# Allegro board BeagleBoard-xM.brd (continued)
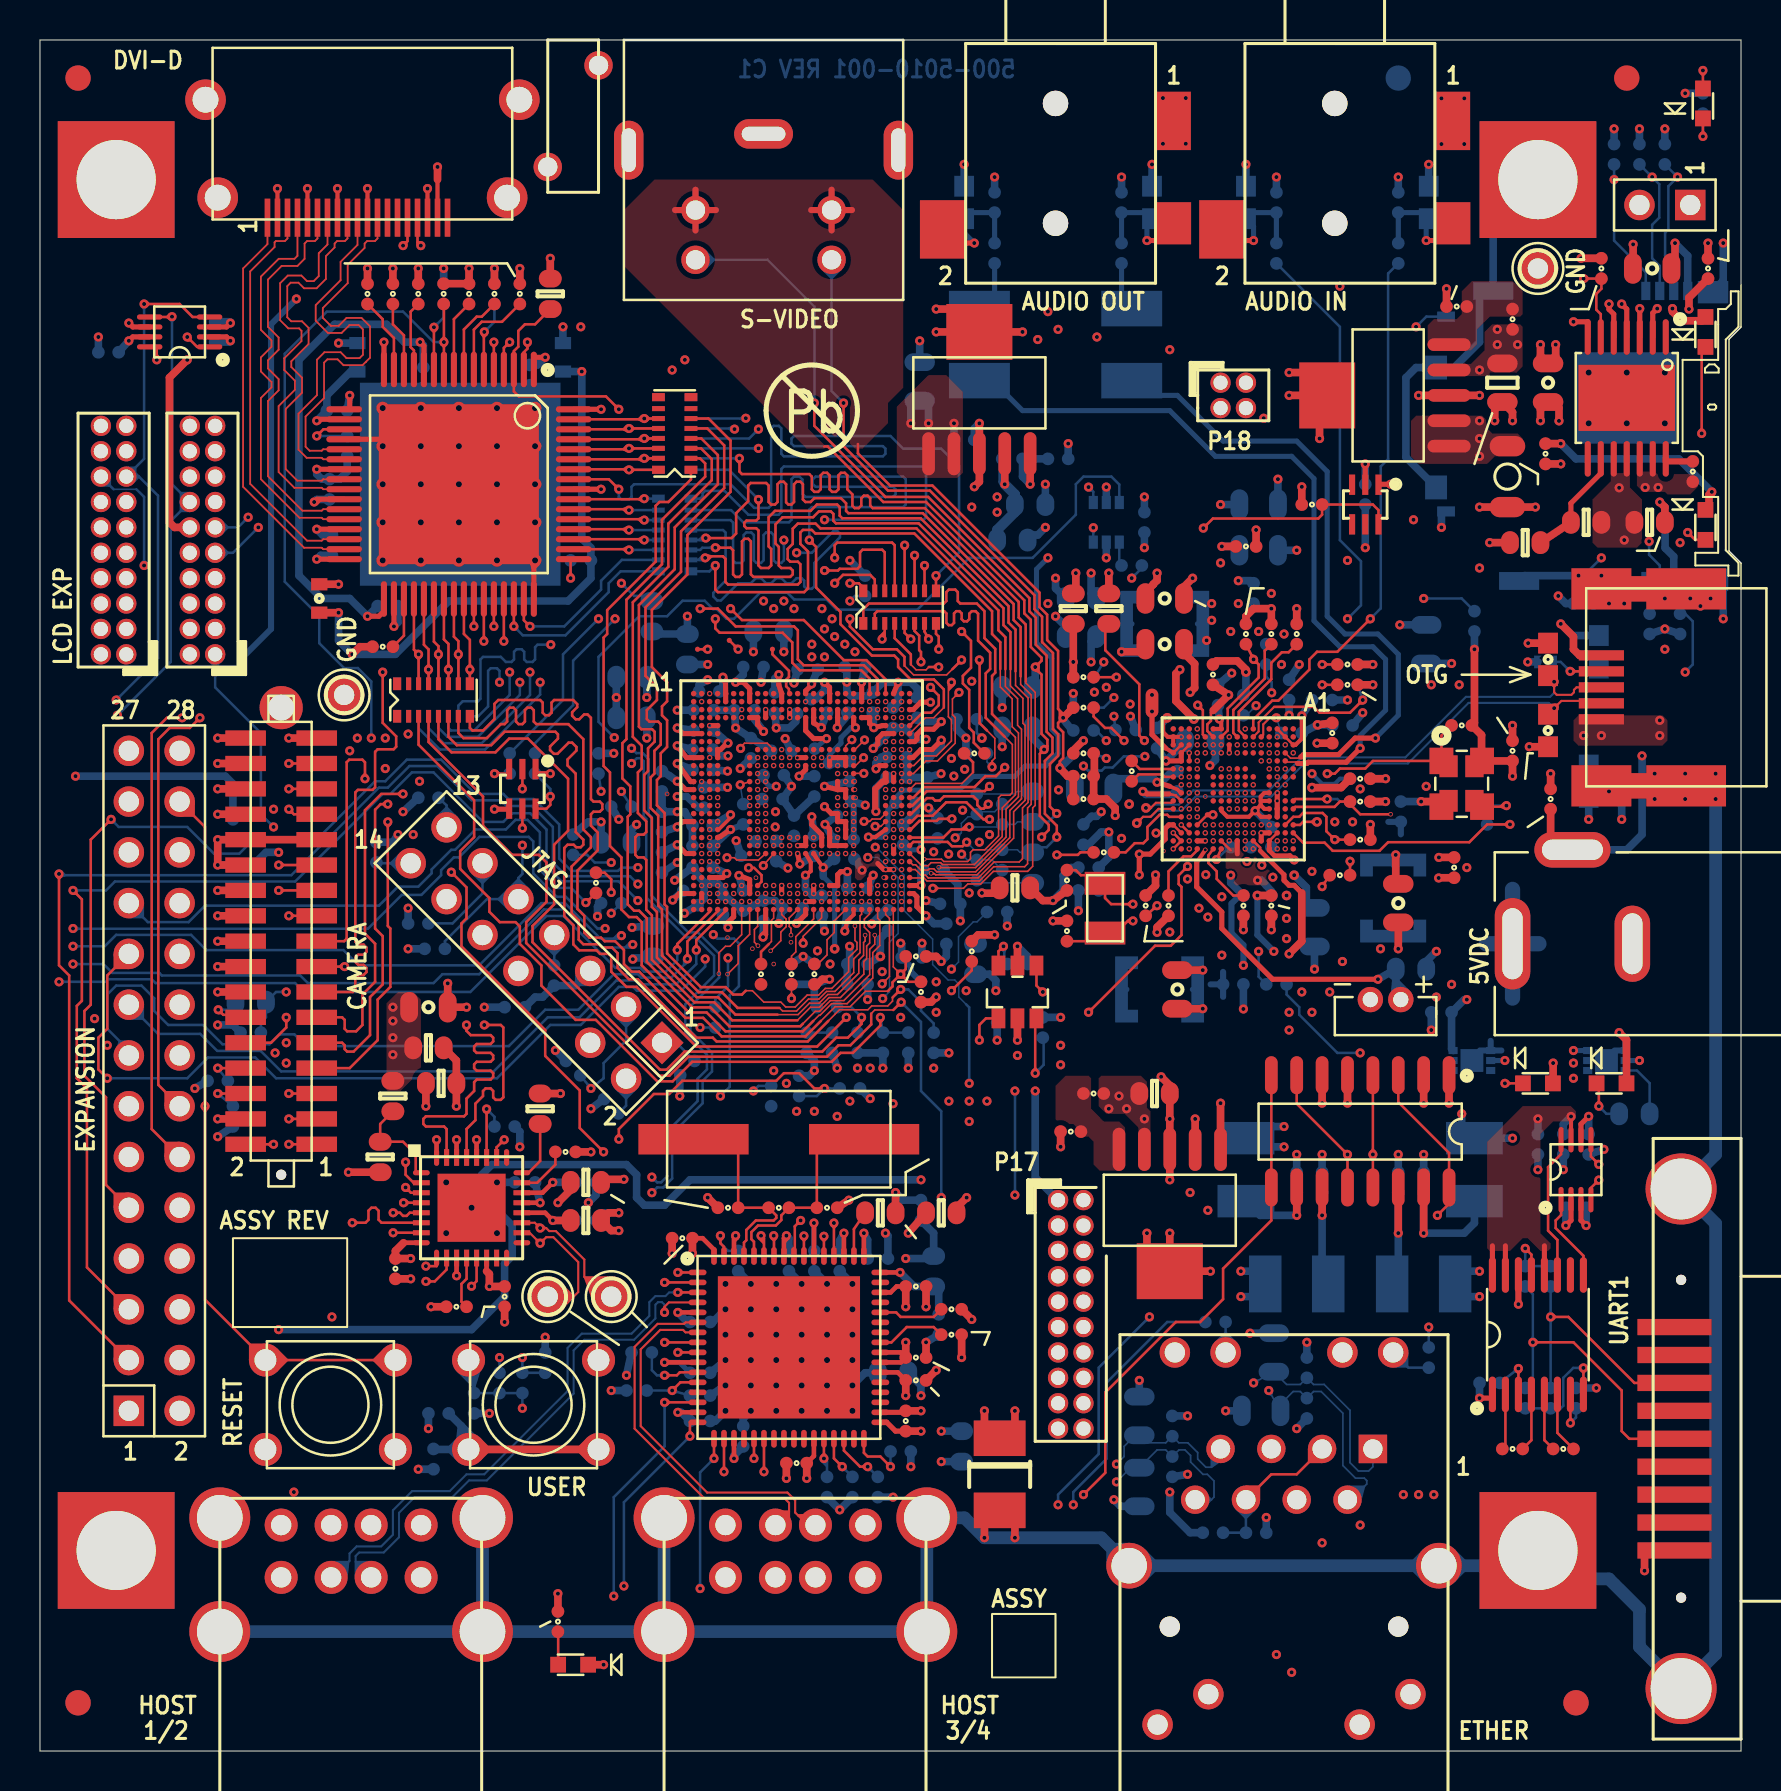
[diagram p0: board, top side]
## Routing (per net, layer and track width the routed paths; a pad name or vN(x,y) marks a point on that pad's centre or on a via; arc(x,y) is an arc through that point) (continued)
MCBSP2_DX: length 56
  LYR3-SIG w0.076: 58.07,52.78 58.29,52.55 58.29,52.18 58.13,52.02 58.13,50.6 58.06,50.53 58.06,49.84 58.22,49.68 58.83,49.68 v2(59.09,49.93) ; 39.81,54.13 39.81,51.69 39.5,51.37 39.5,51.04 39.74,50.8 39.74,49.53 v2(40.76,48.51)
  LYR3-SIG w0.127: 39.81,54.13 39.81,54.81 38.19,56.44 38.19,56.68 v1(37.72,57.15) ; P18.1 57.24,66.64 57.24,56.68 v1(58.36,55.56) 57.84,55.04 57.84,53.37 58.07,52.78
  LYR4-SIG w0.127: v1(37.72,57.15) 37.72,58.25 39.33,59.86 39.33,59.86 39.58,60.11 41,60.11 43.73,57.38 47.67,57.38 48.75,56.3 57.62,56.3 v1(58.36,55.56)
MCBSP2_FSX: length 63.3
  LYR3-SIG w0.076: 59.77,51.77 59.77,51.33 59.23,50.8 59.23,50.6 59.36,50.47 59.36,49.4 v2(59.09,49.13) ; v2(40.8,47.69) 40.23,48.26 40.23,48.51 39.29,49.45 39.29,49.92 38.56,50.65 38.56,51.75 37.31,53.01 37.31,53.64 37.64,53.98 37.64,54.13
  LYR3-SIG w0.127: P18.2 61.72,67.06 61.72,64.26 61.47,64.01 61.47,62.23 62.23,61.47 v1(62.23,55.88) 61.39,55.04 61.39,53.9 60.3,52.81 60.3,52.3 59.77,51.77 ; 37.64,54.13 37.64,55.75 36.7,56.69 v1(36.7,57.15)
  LYR4-SIG w0.127: v1(36.7,57.15) 36.7,58.17 38.67,60.13 38.67,60.14 39.3,60.77 41.28,60.77 44.01,58.04 46.74,58.04 46.89,58.19 51.03,58.19 51.88,57.34 56.32,57.34 56.81,57.82 58.93,57.82 59.77,56.98 61.13,56.98 v1(62.23,55.88)
MCBSP3_CLKX: length 62.3
  LYR3-SIG w0.076: v2(42.3,44.9) 42.39,44.98 42.84,44.98
  LYR3-SIG w0.127: v1(47.37,32.51) 47.41,32.55 47.41,35.98 48.26,36.83 48.26,38.73 47.12,39.88 47.12,41.02 45.97,42.16 45.97,43.31 44.75,44.53 43.99,44.53 43.54,44.98 42.84,44.98
  LYR4-SIG w0.127: 6.98,22.1 8.89,22.1 9.53,22.73 20.39,22.73 21.46,23.81 21.46,25.59 25.09,29.21 28.66,29.21 29.62,30.18 40.46,30.18 40.89,30.61 42.55,30.61 43.48,31.55 45.9,31.55 46.36,32 46.86,32 v1(47.37,32.51)
MCBSP3_DR: length 62
  LYR3-SIG w0.076: 42.85,44.73 42.53,44.73 v2(42.3,44.5)
  LYR3-SIG w0.127: v1(46.48,32.51) 46.9,32.93 46.9,34.9 46.57,35.23 46.57,35.9 47.4,36.73 47.4,39.09 46.74,39.75 46.74,40.26 45.59,41.4 45.59,43.31 44.63,44.27 43.87,44.27 43.41,44.73 42.85,44.73
  LYR4-SIG w0.127: P9.10 11.09,23.08 19.65,23.08 20.19,23.62 20.19,24.78 24.96,29.55 28.53,29.55 29.49,30.51 40.28,30.51 40.77,30.99 42.42,30.99 43.31,31.88 45.47,31.88 46.1,32.51 v1(46.48,32.51)
MCBSP3_DX: length 62.9
  LYR3-SIG w0.076: 47.12,37.7 47.12,38.48 46.48,39.12 46.48,40.13 45.29,41.33 45.29,43.32 44.56,44.04 43.69,44.04 43.24,44.5 v2(42.7,44.5)
  LYR3-SIG w0.127: v1(46.48,31.5) 45.97,32 45.97,33.71 46.23,33.96 46.23,36.32 47.12,37.21 47.12,37.7
  LYR4-SIG w0.127: v1(46.48,31.5) 46.2,31.22 43.66,31.22 42.67,30.23 41.02,30.23 40.64,29.84 29.76,29.84 28.78,28.87 25.21,28.87 23.36,27.01 23.36,25.55 22.06,24.26 22.06,22.82 21.04,21.81 19.32,21.81 18.77,22.35 9.78,22.35 P9.4
MCBSP3_FSX: length 58.4
  LYR3-SIG w0.076: 30.95,41.87 31.15,41.87 31.27,41.76 31.86,41.76 32.08,41.54 32.45,41.54 33.32,42.42 33.32,42.95 33.76,43.38 34.21,43.38 v2(34.3,43.3)
  LYR3-SIG w0.127: v1(1.65,41.15) 2.35,40.45 2.35,37.46 2.11,37.22 2.11,35.67 4.13,33.66 4.83,33.66 5.71,32.77 5.71,25.91 P9.8 ; 30.95,41.87 29.13,41.87 28.41,41.15 v1(28.27,41.15)
  BOTTOM w0.127: v1(28.27,41.15) 27.89,41.15 26.3,42.74 25.84,42.74 24.68,43.9 24.68,45.5 24.45,45.73 21.98,45.73 20.95,44.7 20.7,44.7 20.07,44.07 20.07,43.81 19.08,42.83 18.1,42.83 16.4,41.14 1.66,41.14 v1(1.65,41.15)
MCBSP_CLKS: length 28.6
  TOP w0.127: R51.1 v1(65.53,44.51)
  LYR3-SIG w0.076: 47.87,48.44 47.87,48.07 47.64,47.85 46.88,47.85 46.65,47.61 45.21,47.61 45.06,47.76 43.95,47.76 43.47,47.28 42.71,47.28 42.05,46.62 41.62,46.62 41.35,46.9 v2(40.7,46.9)
  LYR3-SIG w0.127: 47.87,48.44 48.2,48.77 49.63,48.77 50.32,48.08 v1(50.95,48.08)
  LYR4-SIG w0.076: 64.52,44.96 64.07,45.4 57.01,45.4 55.69,46.72 55.21,46.72 55.02,46.91 54.86,46.91
  LYR4-SIG w0.127: v1(65.53,44.51) 64.96,44.51 64.52,44.96 ; v1(50.95,48.08) 53.14,48.08 54.31,46.91 54.86,46.91
MEM_1V8: length 64.9
  TOP w0.254: U4.B12 U4.A12 36.96,53.33 v1(36.96,53.85) ; v1(41.1,53.47) 41.1,53.42 U4.A22 U4.B22 ; v1(45.09,51.5) 44.7,51.12 44.13,51.12 43.87,50.85 43.87,50.61 43.75,50.5 U4.G28 ; U4.C16 U4.D16 38.7,51.43 v1(39.08,51.2) ; v1(45.09,50.57) 45.09,50.56 44.63,50.1 44.07,50.1 43.67,49.7 U4.J28 ; v1(34.8,53.47) 35.18,53.47 35.5,53.15 U4.A8 U4.B8 ; U4.M1 32.7,48.5 32.54,48.5 v1(31.88,49.4) ; U4.B18 U4.A18 39.5,52.9 39.5,53.21 v1(39.24,53.47) ; U4.F2 U4.F1 32.16,50.9 v1(31.88,51.18) ; U4.AF28 43.7,42.9 43.87,42.73 43.87,42.24 v1(44.32,41.78) ; U4.A15 38.3,53.03 38.6,53.33 v1(38.6,53.38) ; U4.B5 U4.A5 34.29,53.47 34.29,53.47 34.29,53.59 v1(34.16,53.72) ; U4.C28 43.69,52.1 44.06,52.47 v1(44.55,52.47) ; U4.AE28 44.06,43.3 v1(44.07,43.31) ; v1(34.42,41.2) 34.42,41.45 34.7,41.74 U4.AH6 ; v1(31.88,48.51) 32.29,48.1 U4.N1 ; v1(37.85,41.4) 38.3,41.86 U4.AH15 ; v1(31.65,42.57) 31.98,42.9 U4.AF1 ; v1(31.88,46.23) 32.15,46.5 U4.U1 ; U4.AA1 32.32,44.9 v1(31.88,45.34) ; U4.J2 U4.J1 32.34,49.7 v1(31.88,50.29) ; v1(36.17,40.72) 36.3,40.85 U4.AH10
  TOP w0.381: C139.1 v1(59.12,60.26)
  LYR2-GND w0.381: v1(31.88,47.75) 32.16,47.75 32.61,47.3 v3(33.9,47.3)
  LYR3-SIG w0.305: v1(44.32,41.78) 43.84,42.27 43.84,43.08 v1(44.07,43.31)
  LYR3-SIG w0.381: v1(39.24,53.47) 39.24,52.58 39.08,52.42 v1(39.08,51.2)
  BOTTOM w0.356: C27.2 32.92,47.19 32.36,47.75 v1(31.88,47.75)
  BOTTOM w0.381: C23.1 29.59,46.1 v1(29.84,46.36) ; C60.1 v1(31.65,42.57) ; v1(37.85,41.4) C58.1 ; C140.1 v1(59.05,62.36) ; R66.2 50.8,58.17 v1(50.8,58.67) ; C33.2 v1(31.88,46.23) ; v1(50.29,61.21) 49.91,60.83 49.66,60.83 R68.1 ; R67.2 51.31,56.26 v1(50.8,56.77) ; 31.11,49.02 31.49,48.79 v1(31.88,48.51) ; v1(39.24,53.47) 39.24,53.06 38.8,52.62 C35.2 ; v1(36.96,53.85) 36.77,53.66 C29.2 ; C21.1 v1(48.13,52.2) ; C34.2 v1(41.1,53.47) ; v1(34.16,53.72) 34.16,53.28 C30.2 ; v1(39.08,51.2) C28.2 ; v1(34.8,53.47) 35.18,53.85 C36.2 ; C189.1 59.8,60.26 v1(59.12,60.26) ; C25.2 44.07,51.5 v1(45.09,51.5) ; R69.1 v1(50.29,63.37) ; C51.2 v1(31.88,49.4) ; v1(44.32,41.78) 44.72,41.39 C49.2 ; v1(31.88,51.18) C37.2 ; 31.11,44.96 v1(31.88,45.34) ; v1(45.09,50.57) 45.09,50.29 44.51,49.72 C50.2 ; C16.1 30.63,41.3 v1(29.62,41.2) ; C48.2 v1(38.6,53.38) ; C22.1 v1(33.4,54.36) ; C26.2 v1(31.88,50.29) ; v1(34.42,41.2) C32.2 ; C59.1 v1(36.17,40.72) ; C52.2 44.07,43.94 v1(44.07,43.31)
MEM_ADJ: length 4.2
  TOP w0.381: U8.5 v1(49.53,63.37)
  BOTTOM w0.381: R71.1 R70.2 49.15,63.75 v1(49.53,63.37)
MEM_BOOST: length 6.2
  TOP w0.381: U8.4 v1(48.26,63.37)
  BOTTOM w0.381: R70.1 48.13,63.5 v1(48.26,63.37)
  BOTTOM w0.508: v1(48.26,63.37) 48.77,62.87 R69.2 48.77,61.98 47.88,61.09 R68.2
MIC.MAIN.M: length 7.6
  TOP w0.102: U7.F2 60.96,51 60.96,51.46 61.73,52.24
  TOP w0.127: v1(66.17,52.58) 65.53,51.94 64.01,51.94 63.72,52.24 61.73,52.24
  BOTTOM w0.127: 65.91,53.34 v1(66.17,52.58)
MIC.MAIN.P: length 2.3
  TOP w0.102: v1(61.85,51.69) 61.52,51.69 61.19,51.36 61.19,50.83 U7.E2
  BOTTOM w0.076: C95.2 v1(61.85,51.69)
MMC1_CLKO: length 50.1
  TOP w0.127: R16.1 46.71,50.44 46.71,50.95 46.48,51.18 46.48,53.09 46.16,53.4 46.16,53.78 46.57,54.19 46.57,55.54 v1(46.1,56.01)
  LYR4-SIG w0.127: v1(82.3,53.98) 77.6,53.98 77.04,54.53 75.36,54.53 74.8,53.98 71.69,53.98 70.74,54.93 66.01,54.93 65.57,55.37 61.85,55.37 61.72,55.5 60.2,55.5 59.65,54.95 57.95,54.95 56.93,55.97 46.14,55.97 v1(46.1,56.01)
  BOTTOM w0.127: v1(82.3,53.98) 82.68,54.36 82.68,56.52 82.3,56.9 R77.2 82.04,57.76 82.27,57.99 82.27,58.37 P7.5
MMC1_CMD: length 71.6
  LYR3-SIG w0.076: 46.71,50.93 46.71,50.13 46.62,50.04 46.62,48.95 46.05,48.37 45.53,48.37 45.37,48.53 43.13,48.53 v2(43.1,48.5)
  LYR3-SIG w0.127: v1(49.91,70.61) 49.91,65.79 47.12,62.99 47.12,58.93 48.04,58 48.04,52.95 46.71,51.61 46.71,50.93
  LYR4-SIG w0.127: v1(49.91,70.61) 51.69,70.61 52.32,71.25 67.31,71.25 67.82,71.75 71.82,71.75 72.2,72.14 75.82,72.14 76.8,73.11 76.8,73.93 77.09,74.22 77.39,74.22 77.75,74.57 77.75,75.72 78.74,76.71 78.74,77.42 79.62,78.3 81.47,78.3 v1(81.92,78.74)
  BOTTOM w0.127: P7.3 81.73,74.37 81.29,74.8 81.29,75.96 81.46,76.12 81.46,78.28 v1(81.92,78.74) R76.2
MMC1_DAT0: length 58.8
  LYR3-SIG w0.076: 47.6,50.58 46.81,49.8 46.81,48.87 46.16,48.22 45.46,48.22 45.31,48.37 43.38,48.37 v2(43.1,48.1)
  LYR3-SIG w0.127: 47.6,50.58 47.6,51.03 48.59,52.02 48.59,53.4 48.37,53.62 48.37,58.18 47.46,59.09 47.46,62.32 v1(47.88,62.74)
  LYR4-SIG w0.127: v1(47.88,62.74) 48.26,62.74 50.04,64.52 64.9,64.52 65.28,64.9 68.45,64.9 71.63,61.72 78.87,61.72 80.07,60.52 v1(80.49,60.52)
  BOTTOM w0.127: v1(80.49,60.52) 80.49,59.84 81.03,59.31 P7.7 80.87,58.38 80.87,57.92 80.52,57.57 R72.2
MMC1_DAT1: length 58
  LYR3-SIG w0.076: v2(42.7,48.1) 42.98,47.82 43.24,47.82 43.65,48.22 45.25,48.22 45.4,48.07 46.27,48.07 47.02,48.82 47.02,49.68 47.93,50.6
  LYR3-SIG w0.127: 47.93,50.6 47.93,50.85 48.92,51.84 48.92,53.59 48.7,53.81 48.7,58.36 47.88,59.18 v1(47.88,61.98)
  LYR4-SIG w0.127: v1(78.11,59.69) 72.64,59.69 70.1,62.23 67.69,62.23 65.79,64.13 52.07,64.13 50.67,62.74 49.15,62.74 48.39,61.98 v1(47.88,61.98)
  BOTTOM w0.127: P7.8 78.85,58.53 R73.2 77.53,57.59 77.53,59.12 v1(78.11,59.69)
MMC1_DAT2: length 70.6
  LYR3-SIG w0.076: 48.32,49.85 47.73,49.85 47.19,49.31 47.19,48.74 46.37,47.92 45.34,47.92 45.18,48.07 43.75,48.07 43.31,47.62 42.77,47.62 v2(42.3,48.1)
  LYR3-SIG w0.127: v1(50.42,72.01) 50.42,65.66 48.68,63.92 48.68,58.89 49.05,58.52 49.05,53.92 49.25,53.72 49.25,50.77 48.32,49.85
  LYR4-SIG w0.127: v1(78.74,78.61) 77.98,77.85 77.98,76.96 76.14,75.12 76.14,73.47 75.56,72.9 71.72,72.9 71.5,72.68 52.24,72.68 51.56,72.01 v1(50.42,72.01)
  BOTTOM w0.127: P7.1 80.33,73.98 78.74,75.56 v1(78.74,78.61) R75.2
MMC1_DAT3: length 70.4
  TOP w0.127: v1(48.26,49.21) 47.82,48.77 47.29,48.77 46.75,48.22 44.21,48.22 43.69,47.7 U4.P28
  LYR3-SIG w0.127: v1(48.26,49.21) 49.91,50.86 49.91,53.51 49.36,54.06 49.36,58.71 49.02,59.05 49.02,63.63 50.93,65.53 v1(50.93,71.12)
  LYR4-SIG w0.127: v1(80.64,78.74) 79.57,78.74 78.36,77.53 78.36,76.84 76.45,74.93 76.45,73.28 75.69,72.52 71.95,72.52 71.69,72.26 67.56,72.26 67.06,71.75 52.07,71.75 51.44,71.12 v1(50.93,71.12)
  BOTTOM w0.127: P7.2 81.03,74.3 80.64,74.68 80.64,76.35 81,76.71 81,78.38 v1(80.64,78.74) R74.2
MMC2_CLKO: length 29
  TOP w0.127: R157.1 v1(27.3,42.44)
  BOTTOM w0.127: v1(27.3,42.44) 26.57,43.18 25.95,43.18 25.95,43.18 25.91,43.18 25.01,44.08 25.01,45.96 24.39,46.58 23.79,46.58 23.3,46.1 21.78,46.1 20.76,45.09 20.57,45.09 19.59,44.1 19.59,43.91 18.92,43.24 17.91,43.24 16.95,42.29 8.26,42.29 7.43,41.47 5.4,41.47 P9.21
MMC2_CMD: length 44
  TOP w0.127: P9.19 3.37,38.8 3.37,36.13 2.92,35.69 2.92,34.1 v1(3.37,33.66)
  LYR2-GND w0.076: v3(34.3,42.5) 34.3,42.25 33.27,41.22 v1(33.27,39.62)
  BOTTOM w0.127: v1(33.27,39.62) 33.27,39.24 32.07,38.04 29.86,38.04 29.67,38.23 28.96,38.23 27.05,36.32 25.53,36.32 22.86,33.66 11.81,33.66 10.77,34.7 8.41,34.7 7.37,33.66 v1(3.37,33.66)
MMC2_DAT0: length 35.5
  TOP w0.127: U4.AH5 34.3,42.03 32.83,40.56 v1(32.83,40.07)
  BOTTOM w0.127: P9.17 5.91,35.88 8.01,35.88 8.86,35.03 11.04,35.03 12.07,34 22.69,34 25.4,36.7 26.99,36.7 28.83,38.54 29.78,38.54 29.97,38.35 31.81,38.35 32.83,39.37 v1(32.83,40.07)
MMC2_DAT1: length 39.9
  TOP w0.127: v1(32.38,39.62) 32.38,40.5 33.9,42.01 U4.AH4
  BOTTOM w0.127: P9.15 4.45,35.05 3.37,36.13 3.37,37.85 3.81,38.29 5.08,38.29 5.71,37.66 5.71,37.02 6.41,36.32 8.17,36.32 9.13,35.36 11.48,35.36 11.98,35.85 12.73,35.85 13.31,35.27 23.46,35.27 25.27,37.08 26.93,37.08 28.71,38.86 29.91,38.86 30.08,38.69 31.58,38.69 32.38,39.5 v1(32.38,39.62)
MMC2_DAT2: length 45.2
  LYR2-GND w0.076: v3(33.9,42.5) 33.9,42.08 32.79,40.97 31.8,40.97
  LYR2-GND w0.127: v1(29.65,40.35) 30.39,40.35 31.01,40.97 31.8,40.97
  LYR3-SIG w0.127: v1(1.65,39.37) 1.93,39.09 1.93,37.68 1.73,37.48 1.73,33.96 3.43,32.26 P9.13
  BOTTOM w0.127: v1(29.65,40.35) 29.5,40.2 28.12,40.2 26.22,42.1 25.21,42.1 21.97,38.86 20.13,38.86 19.68,38.42 13.4,38.42 13.02,38.8 6.1,38.8 5.97,38.93 3.62,38.93 3.17,39.37 v1(1.65,39.37)
MMC2_DAT3: length 48.6
  LYR3-SIG w0.076: 31.58,41.24 32.73,41.24 33.9,42.41 v2(33.9,42.9)
  LYR3-SIG w0.127: 31.58,41.24 30.34,41.24 29.88,40.78 29.1,40.78 v1(29.08,40.79) ; v1(1.65,40.26) 1.14,39.75 1.14,39.12 1.52,38.73 1.52,37.91 1.35,37.73 1.35,32.82 P9.11
  BOTTOM w0.127: v1(29.08,40.79) 28.93,40.64 28.04,40.64 26.26,42.42 25.08,42.42 21.97,39.31 15.94,39.31 15.18,40.07 8.32,40.07 7.56,40.83 3.81,40.83 3.24,40.26 v1(1.65,40.26)
MMC2_DAT4: length 57.8
  TOP w0.127: v1(3.56,46.61) 2.54,45.59 2.54,37.34 2.22,37.02 2.22,33.78 3.3,32.7 3.3,28.32 P9.9
  LYR2-GND w0.076: 30.76,44.37 31.39,44.37 31.69,44.08 33.11,44.08 v3(33.9,43.3)
  LYR2-GND w0.127: 30.76,44.37 30.54,44.37 30.37,44.2 v1(29.91,44.2)
  BOTTOM w0.127: v1(3.56,46.61) 3.94,46.23 7.37,46.23 8.7,44.89 9.97,44.89 10.67,45.59 13.84,45.59 16.76,48.51 17.27,48.51 18.35,49.59 20.07,49.59 21.78,47.88 23.18,47.88 23.43,47.62 24.7,47.62 25.97,46.36 25.97,44.64 26.58,44.03 28.92,44.03 29.08,44.2 v1(29.91,44.2)
MMC2_DAT5: length 52.7
  TOP w0.127: U4.AH3 33.5,42 31.88,40.37 v1(31.88,40.07)
  LYR3-SIG w0.127: v1(0.95,38.48) 0.95,28.13 P9.7
  BOTTOM w0.127: v1(0.95,38.48) 3.3,38.48 3.43,38.61 5.59,38.61 5.78,38.42 12.76,38.42 13.21,37.97 21.53,37.97 25.33,41.77 26.19,41.77 28.78,39.18 30.04,39.18 30.23,38.99 31.31,38.99 31.88,39.56 v1(31.88,40.07)
MMC2_DAT6: length 61.3
  TOP w0.127: 4.45,22.1 2.35,24.19 2.35,33.15 1.84,33.66 1.84,37.27 2.1,37.53 2.1,42.61 v1(1.65,43.05)
  LYR2-GND w0.076: v3(33.5,42.9) 33.33,43.07 32.67,43.07 31.8,42.2 31.5,42.2 31.15,42.55 30.76,42.55
  LYR2-GND w0.127: v1(29.91,42.55) 30.76,42.55
  BOTTOM w0.127: v1(29.91,42.55) 28.94,43.51 26.09,43.51 25.34,44.26 25.34,46.1 24.52,46.91 23.61,46.91 23.18,46.48 22.16,46.48 19.68,48.96 18.61,48.96 17.53,47.88 17.14,47.88 12.76,43.5 3.75,43.5 3.3,43.05 v1(1.65,43.05)
MMC2_DAT7: length 64.7
  TOP w0.127: P9.3 1.46,22.54 1.46,38.8 0.95,39.31 v1(0.95,43.88)
  LYR2-GND w0.076: v3(33.5,43.3) 32.87,43.93 31.57,43.93 31.39,44.11 30.76,44.11
  LYR2-GND w0.127: 30.76,44.11 30.65,44.11 v1(29.91,43.37)
  BOTTOM w0.127: v1(29.91,43.37) 29.51,43.76 26.34,43.76 25.65,44.45 25.65,46.23 24.61,47.28 23.34,47.28 23.05,47.56 21.59,47.56 19.88,49.28 18.48,49.28 17.4,48.2 16.95,48.2 12.57,43.81 1.02,43.81 v1(0.95,43.88)
MMC3_CLK: length 39.6
  LYR2-GND w0.076: v2(35.81,43.69) 35.81,43.38 v3(36.3,42.9)
  LYR3-SIG w0.076: P17.14 51.31,19.32 50.41,19.32 ; v2(35.81,43.69) 35.61,43.48 35.61,42.44 34.95,41.78 34.95,40.65 34.8,40.5 34.8,38.35 34.63,38.19
  LYR3-SIG w0.127: 34.63,38.19 34.35,37.91 34.35,36 33.74,35.39 33.74,33.79 33.11,33.15 33.11,31.66 36.32,28.45 41.63,28.45 42.68,27.39 44.08,27.39 46.99,24.49 46.99,22.73 50.41,19.32
MMC3_CMD: length 38.1
  LYR3-SIG w0.076: v2(36.3,43.3) 36.13,43.13 36.13,42.53 35.26,41.66 35.26,40.53 35.1,40.37 35.1,37.85 34.87,37.62 ; 50.28,20.59 51.57,20.59
  LYR3-SIG w0.127: 50.28,20.59 47.62,23.24 47.62,25.58 45.94,27.27 45.94,27.95 45.69,28.19 44.83,28.19 44.54,27.9 43.79,27.9 43.4,28.3 43.4,28.46 42.9,28.96 36.58,28.96 33.62,31.92 33.62,32.94 34.25,33.57 34.25,35.18 34.87,35.8 34.87,37.62 ; 51.57,20.59 P17.12
MMC3_DAT0: length 37.1
  LYR3-SIG w0.076: v2(36.7,43.3) 36.28,42.88 36.28,42.47 35.41,41.59 35.41,40.46 35.26,40.31 35.26,37.67 35.13,37.54
  LYR3-SIG w0.127: 35.13,37.54 35.13,35.69 34.51,35.07 34.51,31.39 36.68,29.21 42.9,29.21 43.28,29.59 43.52,29.59 43.65,29.46 43.65,28.4 43.9,28.16 44.24,28.16 44.66,28.58 45.21,28.58 45.47,28.83 46.36,28.83 47.12,28.07 47.12,26.62 47.94,25.79 47.94,23.56 50.29,21.21 P17.11
MMC3_DAT1: length 37.5
  TOP w0.076: v2(35.92,40.28) 35.74,40.46 35.74,41.1 35.9,41.26 U4.AH9
  LYR3-SIG w0.076: 35.89,36.93 35.89,38.15 35.79,38.25 35.79,39.88 35.92,40.01 v2(35.92,40.28) ; 51.56,23.11 50.29,23.11
  LYR3-SIG w0.127: 50.29,23.11 49.02,24.38 49.02,26.54 48.26,27.3 48.26,27.94 48.67,28.35 49.17,28.35 49.63,28.8 49.63,29.54 48.79,30.38 47.8,30.38 47.14,29.72 45.45,29.72 44.56,30.61 41.66,30.61 41.02,29.97 37,29.97 35.9,31.07 35.9,32.17 35.27,32.8 35.27,34.76 35.89,35.38 35.89,36.93 ; P17.8 51.56,23.11
MMC3_DAT2: length 37.1
  LYR3-SIG w0.076: v2(37.5,42.9) 37.67,42.73 37.67,41.96 37.33,41.62 37.33,41.19 37,40.86 37,39.2 37.97,38.23 37.97,37.29 37.72,37.03 37.72,36.2 ; 51.82,26.92 52.58,26.92
  LYR3-SIG w0.127: 52.58,26.92 52.93,26.92 53.06,27.05 53.06,28.24 52.93,28.37 52.02,28.37 51.89,28.5 51.89,28.75 52.02,28.88 52.27,28.88 52.4,29.01 52.4,29.26 51.85,29.81 51.85,30.98 51.03,31.8 47.78,31.8 46.71,30.73 45.87,30.73 44.98,31.62 41.21,31.62 40.58,30.99 37.42,30.99 36.92,31.49 36.92,33.57 37.3,33.96 37.3,34.63 37.72,35.05 37.72,36.2 ; 51.82,26.92 51.56,26.92 P17.3
MMC3_DAT3: length 37.1
  LYR3-SIG w0.076: v2(37.5,43.3) 37.27,43.07 37.27,42.72 37.33,42.67 37.33,42.29 37.02,41.98 36.8,41.98 36.42,41.61 36.42,41.41 36.84,41 36.84,39.87 36.4,39.42 36.4,38.99 36.91,38.48 36.91,36.39
  LYR3-SIG w0.127: 36.91,36.39 36.91,34.96 36.28,34.33 36.28,33.86 36.66,33.48 36.66,31.38 37.31,30.73 40.68,30.73 41.32,31.37 44.87,31.37 45.76,30.48 46.82,30.48 47.84,31.5 50.88,31.5 51.51,30.86 51.51,28.5 51.38,28.37 50.65,28.37 50.16,27.89 50.16,25.78 P17.5
MMC3_DAT4: length 37.2
  LYR3-SIG w0.076: 35.38,37.44 35.41,37.46 35.41,40.23 35.56,40.39 35.56,41.53 36.45,42.42 36.45,42.65 v2(36.7,42.9) ; 50.29,21.84 51.56,21.84
  LYR3-SIG w0.127: 50.29,21.84 48.26,23.88 48.26,26.09 47.5,26.85 47.5,28.22 46.58,29.13 45.22,29.13 45,28.92 44.45,28.92 44.32,29.04 44.32,29.72 44.2,29.84 43.05,29.84 42.67,29.46 42.4,29.46 42.02,29.84 41.66,29.84 41.28,29.46 36.79,29.46 34.76,31.49 34.76,34.97 35.38,35.59 35.38,37.44 ; 51.56,21.84 P17.10
MMC3_DAT5: length 37.1
  LYR2-GND w0.076: v3(35.9,42.5) 35.9,41.56 35.76,41.43 35.76,40.54 35.64,40.41 v2(35.64,40.14)
  LYR3-SIG w0.076: 35.64,37.19 v2(35.64,40.14)
  LYR3-SIG w0.127: 35.64,37.19 35.64,35.48 35.01,34.86 35.01,32.7 35.38,32.33 35.38,32.08 35.18,31.88 35.18,31.43 36.89,29.72 41.15,29.72 41.78,30.35 44.45,30.35 45.34,29.46 47.24,29.46 47.8,30.02 48.64,30.02 49.23,29.44 49.23,28.93 48.97,28.68 48.26,28.68 47.88,28.3 47.88,27.08 48.64,26.31 48.64,24.13 50.29,22.48 P17.9
MMC3_DAT6: length 37.1
  LYR3-SIG w0.076: v2(35.9,42.9) 35.9,42.52 35.1,41.72 35.1,40.59 34.95,40.44 34.95,38.07 34.85,37.97
  LYR3-SIG w0.127: 34.85,37.97 34.62,37.74 34.62,35.91 34,35.28 34,33.68 33.36,33.05 33.36,31.79 36.45,28.7 41.91,28.7 42.19,28.42 42.91,28.42 43.14,28.19 43.68,27.65 44.26,27.65 45.01,26.9 45.22,26.9 45.36,27.04 45.57,27.04 45.72,26.9 45.72,26.68 45.58,26.54 45.58,26.33 45.73,26.18 45.94,26.18 46.08,26.32 46.26,26.32 46.44,26.14 46.44,25.97 46.3,25.82 46.3,25.61 46.49,25.41 46.82,25.41 47.04,25.2 47.04,24.87 47.31,24.6 47.31,22.92 50.29,19.94 P17.13
MMC3_DAT7: length 37.1
  TOP w0.076: v2(37.57,40.82) 37.57,41.16 37.48,41.25 37.48,41.68 U4.AH14
  LYR3-SIG w0.076: 38.23,36.2 38.23,36.88 38.4,37.06 38.4,38.4 37.3,39.51 37.3,40.55 v2(37.57,40.82)
  LYR3-SIG w0.127: P17.4 52.83,26.29 52.96,26.16 52.96,25.4 53.09,25.27 53.34,25.27 53.47,25.4 53.47,28.73 52.2,30 52.2,31.06 51.16,32.11 47.73,32.11 46.61,30.99 45.97,30.99 45.09,31.88 41.11,31.88 40.47,31.24 37.52,31.24 37.17,31.59 37.17,32.51 37.3,32.64 37.68,32.64 37.81,32.77 37.81,34.42 38.23,34.84 38.23,36.2
MMC_CD: length 41.7
  LYR3-SIG w0.076: v2(57.49,46.73) 57.91,46.73 58.38,47.21 59.53,47.21 60.48,48.16 61.16,48.16 61.58,47.74 63.13,47.74 63.63,47.24 64.6,47.24 64.75,47.39
  LYR3-SIG w0.127: v1(66.04,48.13) 65.49,48.13 64.75,47.39 ; v1(68.83,71.25) 69.6,70.48 69.6,66.93 69.22,66.55 v1(69.22,57.66) 69.22,55.12 v1(70.99,53.34)
  LYR4-SIG w0.127: v1(66.04,48.13) 66.04,48.9 67.31,50.16 68.83,50.16 70.99,52.32 v1(70.99,53.34)
  BOTTOM w0.127: R135.1 71.12,57.66 v1(69.22,57.66) ; v1(68.83,71.25) 69.35,71.76 P7.10
MMC_CLK: length 4.7
  TOP w0.076: 46.67,48.96 46.12,48.41 43.81,48.41 U4.N28
  TOP w0.127: R16.2 46.67,49.47 46.67,48.96
MSECURE: length 62.8
  LYR3-SIG w0.076: 56.85,50.98 56.85,51.84 56.21,52.48 ; v2(34.7,42.9) 34.41,42.61 34.41,42.08 33.68,41.35 v1(33.68,40.84)
  LYR3-SIG w0.127: v1(51.05,34.33) 50.55,34.84 50.55,37.08 51.18,37.72 51.18,43.94 52.04,44.81 52.04,46.96 52.16,47.08 52.16,48.7 51.75,49.11 51.75,49.47 52.04,49.76 52.63,49.76 52.96,50.09 53.52,50.09 53.8,50.37 53.8,50.95 53.26,51.49 53.26,52.25 v1(53.72,52.7) 53.98,52.7 54.62,53.35 55.89,53.35 56.21,53.04 56.21,52.48 ; v2(59.89,48.33) 59.71,48.51 58.34,48.51 57.62,49.24 57.62,50.2 56.85,50.98
  LYR4-SIG w0.127: v1(51.05,34.33) 49.61,34.33 49.19,33.91 45.09,33.91 44.58,33.4 40.09,33.4 39.42,32.73 39.03,32.73 38.82,32.93 36.5,32.93 35.86,33.57 34.84,33.57 v1(34.04,32.77)
  BOTTOM w0.127: v1(34.04,32.77) 34.5,33.23 34.5,37.8 34.96,38.27 34.96,40.4 34.72,40.64 33.88,40.64 v1(33.68,40.84) ; v1(53.72,52.7) 53.21,52.2 R62.2
MSEN: length 3.5
  TOP w0.127: U11.11 v1(19.71,71.23)
  BOTTOM w0.127: R92.2 20.19,71.71 v1(19.71,71.23)
NDC_PWR: length 22.4
  TOP w0.127: v1(58.19,61.18) 58.67,61.66 63.94,61.66 64.14,61.85 R138.2 66.67,62.36 66.95,62.08 Q2.6
  LYR3-SIG w0.076: v2(58.29,49.93) 58.26,49.97 58.26,50.51 58.3,50.55 58.3,51.95 58.5,52.15 58.5,52.86 58.39,52.96
  LYR3-SIG w0.127: v1(58.19,61.18) 58.19,56.36 58.8,55.75 58.8,55.37 58.12,54.69 58.12,53.45 58.22,53.14 58.39,52.96
NHUB_RESET: length 67.1
  TOP w0.127: v1(31.62,18.03) 32.03,18.44 U15.12
  LYR3-SIG w0.127: v1(54.61,58.67) 54.18,58.67 50.67,55.17 50.67,49.91 50.55,49.78 50.55,49.05 50.84,48.76 51.3,48.76 51.65,48.4 51.65,47.61 51.31,47.27 51.31,46.74 50.95,46.38 50.17,46.38 49.56,45.77 49.56,39.62 48.9,38.96 48.9,36.58 48.39,36.07 48.39,33.4 v1(48.77,33.02)
  LYR4-SIG w0.127: v1(48.77,27.81) 47.57,26.62 40.34,26.62 39.9,27.05 33.91,27.05 32.38,25.53 31.5,25.53 30.61,24.64 30.61,18.54 31.1,18.03 v1(31.62,18.03)
  BOTTOM w0.127: v1(48.77,33.02) 48.77,33.01 48.77,27.82 v1(48.77,27.81) ; C174.1 v1(31.62,18.03) R105.2 ; R156.2 55.12,59.18 v1(54.61,58.67)
NLNKA: length 43.6
  TOP w0.127: U15.21 v1(35.72,14.63)
  LYR3-SIG w0.127: v1(35.72,14.63) 38.07,14.63 38.9,13.8 46.39,13.8 47.88,12.32 v1(50.93,12.32)
  LYR4-SIG w0.127: v1(55.5,21.72) 68.96,21.72 v1(69.47,21.21)
  BOTTOM w0.127: v1(55.5,21.72) 52.96,19.18 52.96,14.86 50.93,12.83 v1(50.93,12.32) ; R104.1 v1(69.47,21.21)
NLNKAR: length 25.6
  LYR3-SIG w0.127: P15.9 67.69,17.65 68.58,16.76 68.58,14.01 67.18,12.61 67.18,11.56 62.61,6.98 v1(62.61,3.94)
  LYR4-SIG w0.127: v1(62.61,3.94) 59.54,3.94 P15.16
  BOTTOM w0.127: P15.9 68.45,19.18 R104.2
NRESET: length 95.7
  TOP w0.076: v1(42.13,38.38) 42.49,38.75 42.49,41.66 42.3,41.85 U4.AH25
  TOP w0.127: U5.6 49.78,36.59 v1(49.78,33.91) ; P9.26 8.26,46.23 v1(8.26,32.26) 8.26,22.58 S2.2 S2.1
  LYR3-SIG w0.076: 42.67,36.2 42.67,36.55 42.52,36.7 42.52,37.98 v1(42.13,38.38)
  LYR3-SIG w0.127: v1(42.67,32.38) 42.67,36.2
  LYR4-SIG w0.127: v1(49.78,33.91) 49.4,33.53 47.24,33.53 46.7,32.98 45.17,32.98 44.83,32.64 42.93,32.64 v1(42.67,32.38) 42.04,31.75 40.51,31.75 39.78,31.01 30.99,31.01 30.68,31.32 24.24,31.32 22.8,32.77 19.05,32.77 18.35,32.07 13.8,32.07 12.94,31.2 10.33,31.2 9.27,32.26 v1(8.26,32.26)
  BOTTOM w0.127: v1(49.78,33.91) 50.2,34.33 50.2,35.65 R42.2
NRESPWRON: length 26.5
  TOP w0.127: v1(50.16,37.97) 49.84,38.29 U5.1 ; v4(63.88,46.48) 63.18,46.48 63.03,46.33 62.7,46.33 U7.A13
  LYR3-SIG w0.127: v1(63.12,37.97) 63.12,39.24 63.75,39.88 63.75,40.97 65,42.21 65,44.73 63.88,45.85 v4(63.88,46.48)
  LYR4-SIG w0.127: v1(50.16,37.97) 52.2,37.97 53.47,36.7 60.58,36.7 61.85,37.97 v1(63.12,37.97)
NRESWARM: length 63.1
  TOP w0.127: U7.B13 62.69,46.74 62.99,46.74 63.18,46.93 64.16,46.93 64.35,46.74 64.35,46.01 v1(64.77,45.59) R61.2
  LYR2-GND w0.076: v3(37.5,42.5) 37.5,42.2 37.07,41.77 36.8,41.77 36.59,41.55 36.59,41.25 36.98,40.86 36.98,39.64 v2(36.7,39.37)
  LYR3-SIG w0.076: v2(41.9,42.9) 41.9,42.68 42.39,42.19 42.39,41.45 42.9,40.94 43.04,40.94 43.42,40.56 43.42,40.22 43.33,40.13 43.33,39.57 43.82,39.09 43.82,37.24 44.7,36.35 44.7,36.27 ; 37.34,36.2 37.34,37.34 37.22,37.45 37.22,38.6 36.7,39.12 v2(36.7,39.37)
  LYR3-SIG w0.127: v1(36.7,34.04) 37.05,34.38 37.05,34.74 37.34,35.03 37.34,36.2 ; v1(64.77,45.59) 65.15,45.59 66.04,44.7 66.04,42.47 64.26,40.69 64.26,38.99 63.63,38.35 63.63,37.72 62.99,37.08 62.99,36.58 v1(62.48,36.07) ; v1(44.7,34.16) 44.7,36.27
  LYR4-SIG w0.127: v1(36.7,34.04) 38.02,34.04 38.53,33.53 38.86,33.53 39.08,33.74 44.28,33.74 v1(44.7,34.16) 44.87,34.33 49.11,34.33 49.58,34.8 51.31,34.8 51.9,35.39 61.05,35.39 61.72,36.07 v1(62.48,36.07)
NSLEEP: length 37.1
  LYR2-GND w0.076: v1(55.27,49.76) 55.77,50.25 56.53,50.25 57.56,49.23 57.56,48.8 v3(57.49,48.73)
  LYR3-SIG w0.076: v2(41.1,42.9) 41.1,42.59 41.99,41.71 41.99,40.72 42.68,40.02 42.68,37.07 v1(43.05,36.7)
  LYR3-SIG w0.127: v1(51.05,35.31) 51.52,35.78 51.52,43.82 52.41,44.71 52.41,49.06 v1(52.2,49.28)
  LYR4-SIG w0.127: v1(43.05,36.7) 43.69,36.07 49.91,36.07 50.67,35.31 v1(51.05,35.31)
  BOTTOM w0.127: v1(52.2,49.28) 52.43,49.05 53.11,49.05 53.26,49.2 53.66,49.2 54.22,49.76 v1(55.27,49.76)
NSPD: length 31.4
  TOP w0.127: U15.22 v1(36.22,13.97)
  LYR3-SIG w0.127: v1(51.69,12.32) 51.18,11.81 47.62,11.81 45.97,13.46 43.43,13.46 43.18,13.21 36.96,13.21 36.22,13.95 v1(36.22,13.97)
  BOTTOM w0.127: v1(51.69,12.32) 51.69,12.95 53.35,14.62 53.35,18.43 56.39,21.46 R50.1